# Altium PCB NURIP.PcbDoc (part 10 of 14) (continued)
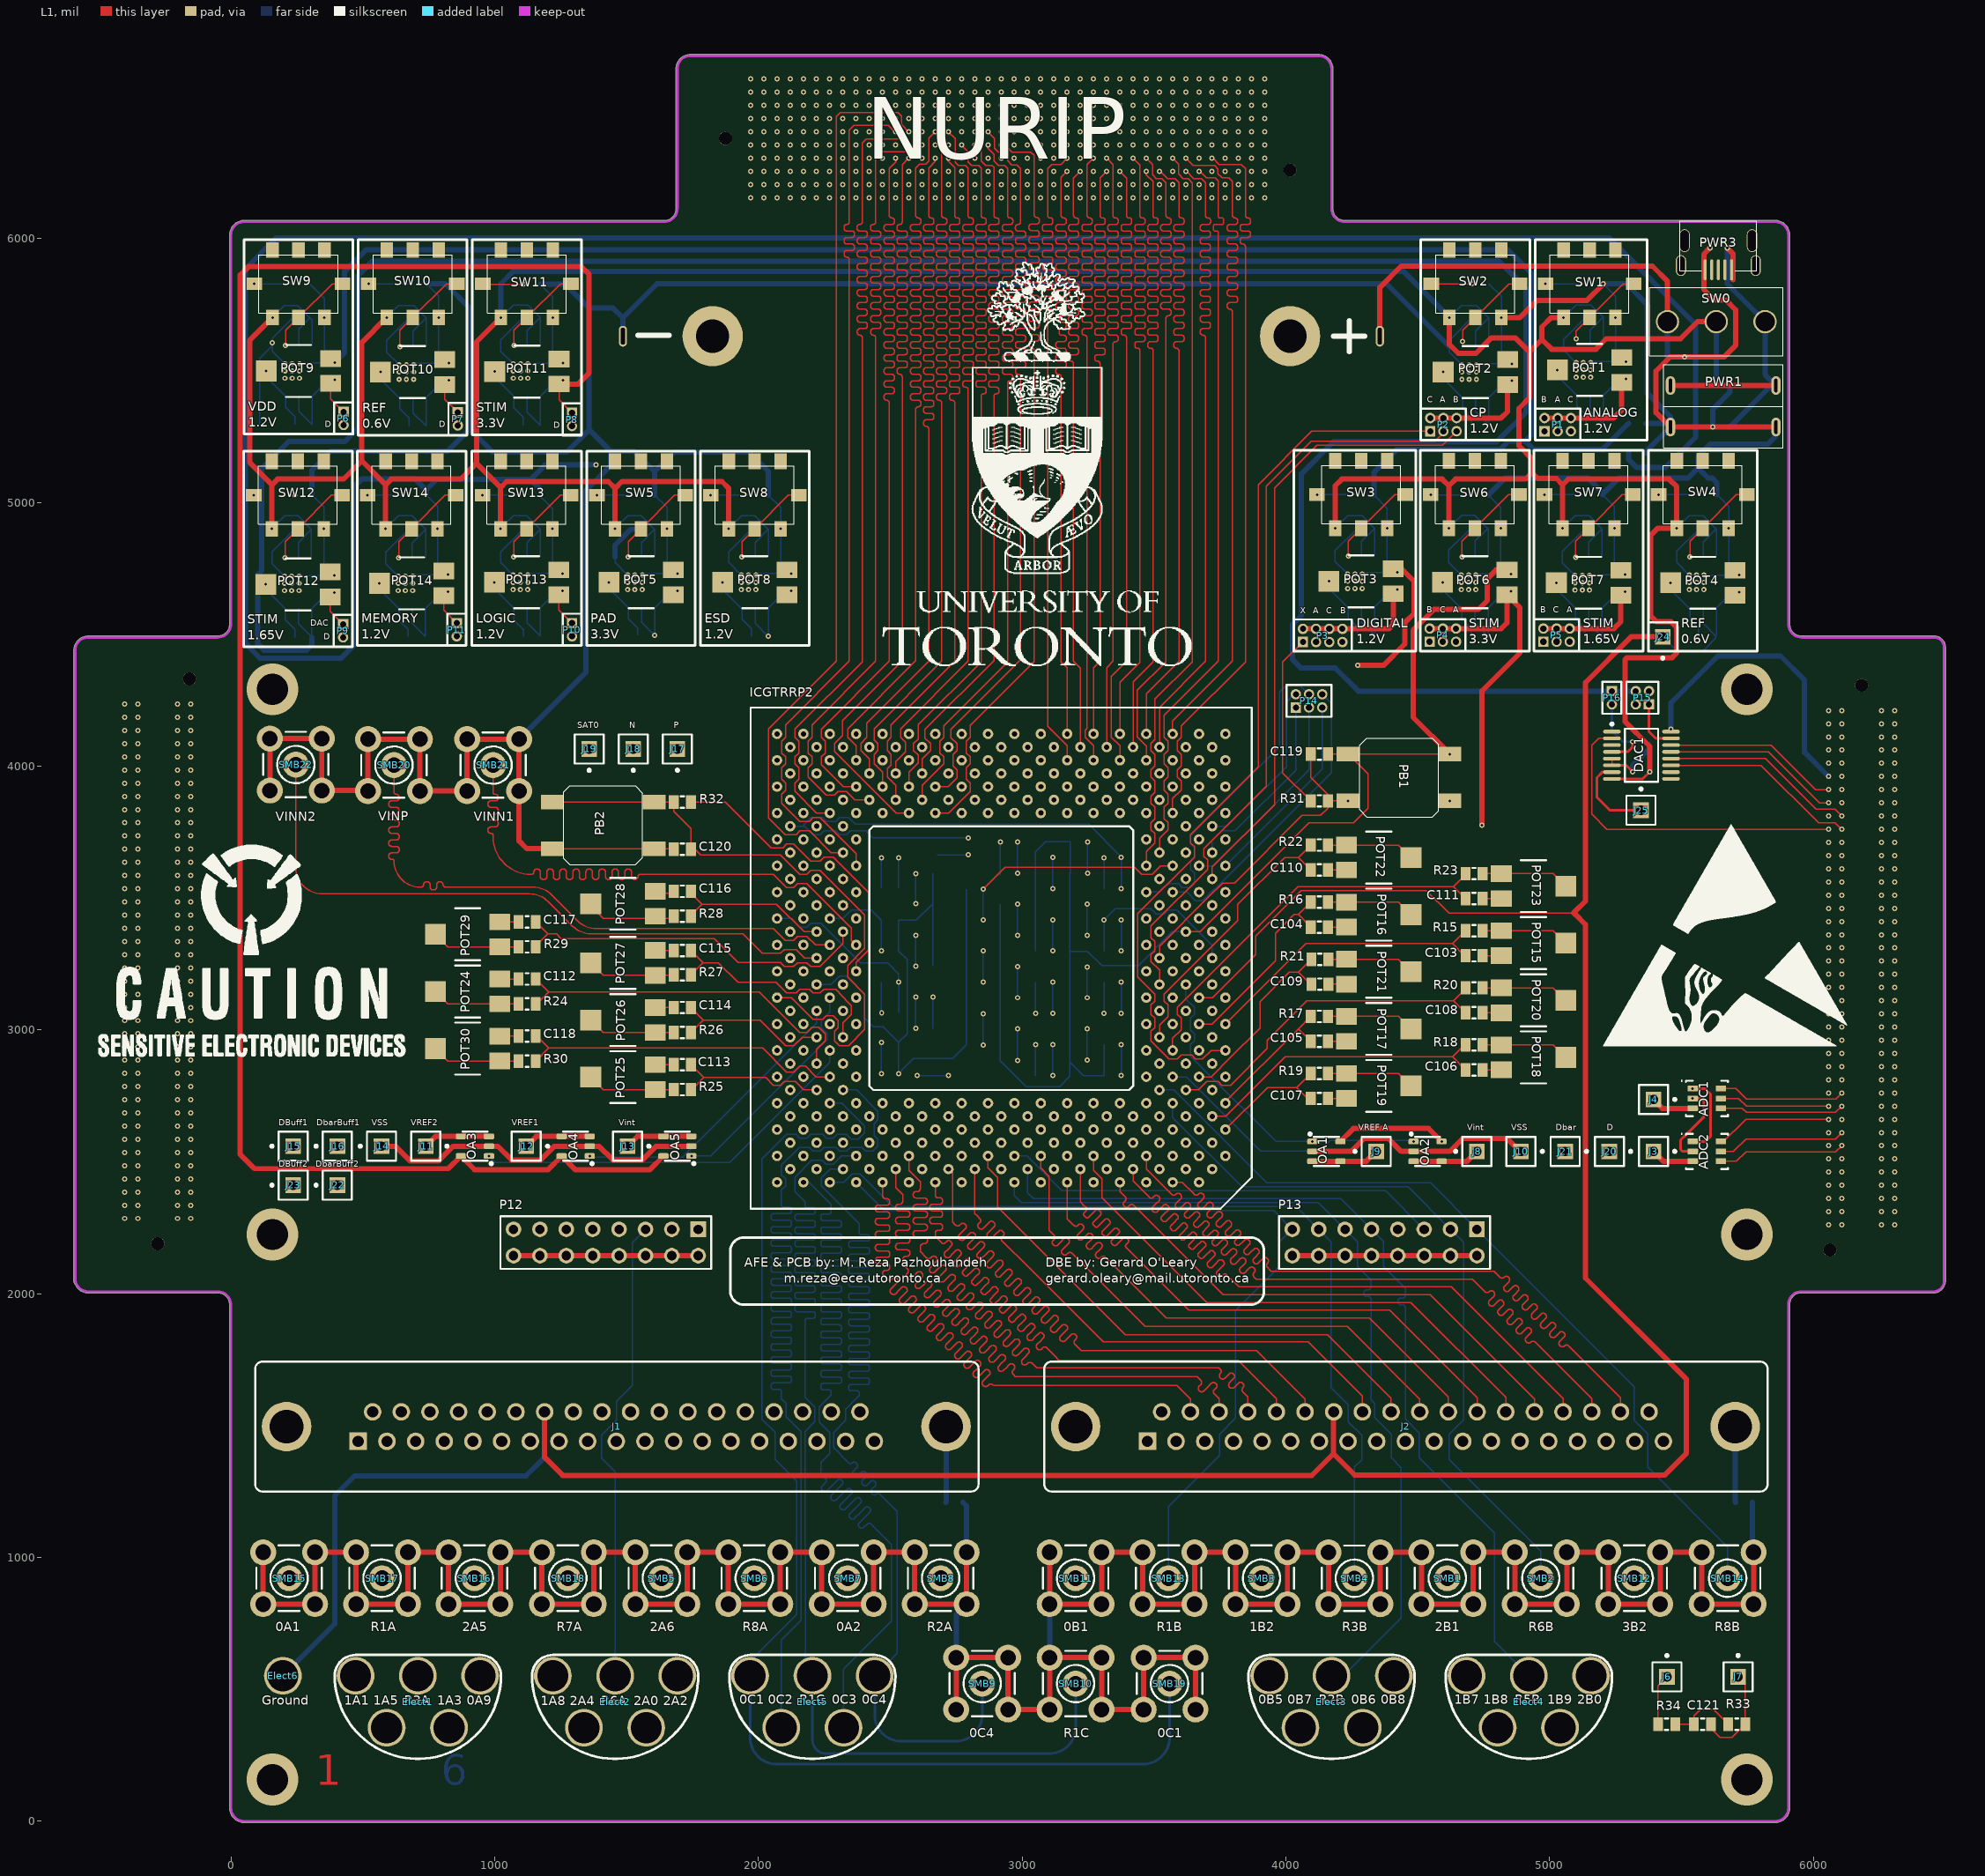
[diagram p0: L1 view]
## Nets (pads, with @x,y where several pads share a name; then routed paths per layer and width w, separated by ;. In a path a pad name is that pad's centre, name@x,y a point inside that pad or via, vN(x,y) a via of type N, cw(c..) or ccw(c..) an arc to the next point about the centre after c; other vN are vias at no path point) (continued)
OFF_MEM_DIN(3): FMC1.F19 ICGTRRP2.AK24 | length 3439.7
  L1 w5: ICGTRRP2.AK24@2620.71,3872.2 2620.71,3926.69 2702.89,4008.87 2702.89,4035.54 2688.52,4049.91 2688.52,4094.5 2702.89,4108.87 2702.89,4153.39 2944.88,4395.38 2944.88,5374.02 2944.88,5451.23 cw(c2954.73,5451.23) 2954.73,5461.08 ccw(c2954.73,5470.96) 2964.61,5470.96 2964.61,5475.89 ccw(c2954.73,5475.89) 2954.73,5485.77 2944.88,5485.77 2935.03,5485.77 cw(c2935.03,5495.64) 2925.15,5495.64 2925.15,5500.58 cw(c2935.03,5500.58) 2935.03,5510.45 2944.88,5510.45 2954.73,5510.45 ccw(c2954.73,5520.33) 2964.61,5520.33 2964.61,5525.26 ccw(c2954.73,5525.26) 2954.73,5535.14 2944.88,5535.14 2935.03,5535.14 cw(c2935.03,5545.01) 2925.15,5545.01 2925.15,5549.95 cw(c2935.03,5549.95) 2935.03,5559.82 2944.88,5559.82 2954.73,5559.82 ccw(c2954.73,5569.7) 2964.61,5569.7 2964.61,5574.63 ccw(c2954.73,5574.63) 2954.73,5584.51 2944.88,5584.51 2935.03,5584.51 cw(c2935.03,5594.38) 2925.15,5594.38 2925.15,5599.32 cw(c2935.03,5599.32) 2935.03,5609.19 2944.88,5609.19 2954.73,5609.19 ccw(c2954.73,5619.07) 2964.61,5619.07 2964.61,5624 ccw(c2954.73,5624) 2954.73,5633.88 2944.88,5633.88 2935.03,5633.88 cw(c2935.03,5643.75) 2925.15,5643.75 2925.15,5648.69 cw(c2935.03,5648.69) 2935.03,5658.56 2944.88,5658.56 2954.73,5658.56 ccw(c2954.73,5668.44) 2964.61,5668.44 2964.61,5673.37 ccw(c2954.73,5673.37) 2954.73,5683.25 2944.88,5683.25 2935.03,5683.25 cw(c2935.03,5693.12) 2925.15,5693.12 2925.15,5698.06 cw(c2935.03,5698.06) 2935.03,5707.93 2944.88,5707.93 2954.73,5707.93 ccw(c2954.73,5717.81) 2964.61,5717.81 2964.61,5722.74 ccw(c2954.73,5722.74) 2954.73,5732.62 2944.88,5732.62 2935.03,5732.62 cw(c2935.03,5742.49) 2925.15,5742.49 2925.15,5747.43 cw(c2935.03,5747.43) 2935.03,5757.3 2944.88,5757.3 2954.73,5757.3 ccw(c2954.73,5767.18) 2964.61,5767.18 2964.61,5772.11 ccw(c2954.73,5772.11) 2954.73,5781.99 2944.88,5781.99 2935.03,5781.99 cw(c2935.03,5791.86) 2925.15,5791.86 2925.15,5796.8 cw(c2935.03,5796.8) 2935.03,5806.67 2944.88,5806.67 2954.73,5806.67 ccw(c2954.73,5816.55) 2964.61,5816.55 2964.61,5821.48 ccw(c2954.73,5821.48) 2954.73,5831.36 2944.88,5831.36 2935.03,5831.36 cw(c2935.03,5841.23) 2925.15,5841.23 2925.15,5846.17 cw(c2935.03,5846.17) 2935.03,5856.04 2944.88,5856.04 2954.73,5856.04 ccw(c2954.73,5865.92) 2964.61,5865.92 2964.61,5870.85 ccw(c2954.73,5870.85) 2954.73,5880.73 2944.88,5880.73 2935.03,5880.73 cw(c2935.03,5890.6) 2925.15,5890.6 2925.15,5895.54 cw(c2935.03,5895.54) 2935.03,5905.41 2944.88,5905.41 2954.73,5905.41 ccw(c2954.73,5915.29) 2964.61,5915.29 2964.61,5920.22 ccw(c2954.73,5920.22) 2954.73,5930.1 2944.88,5930.1 2935.03,5930.1 cw(c2935.03,5939.97) 2925.15,5939.97 2925.15,5944.91 cw(c2935.03,5944.91) 2935.03,5954.78 2944.88,5954.78 2954.73,5954.78 ccw(c2954.73,5964.66) 2964.61,5964.66 2964.61,5969.59 ccw(c2954.73,5969.59) 2954.73,5979.47 2944.88,5979.47 2935.03,5979.47 cw(c2935.03,5989.34) 2925.15,5989.34 2925.15,5994.28 cw(c2935.03,5994.28) 2935.03,6004.15 2944.88,6004.15 2954.73,6004.15 ccw(c2954.73,6014.03) 2964.61,6014.03 2964.61,6018.96 ccw(c2954.73,6018.96) 2954.73,6028.84 2944.88,6028.84 2935.03,6028.84 cw(c2935.03,6038.71) 2925.15,6038.71 2925.15,6043.65 cw(c2935.03,6043.65) 2935.03,6053.52 2944.88,6053.52 2954.73,6053.52 ccw(c2954.73,6063.4) 2964.61,6063.4 2964.61,6068.33 ccw(c2954.73,6068.33) 2954.73,6078.21 cw(c2954.73,6088.06) 2944.88,6088.06 2944.88,6090.55 2944.88,6265.75 2933.07,6277.56 2909.45,6277.56 2893.7,6293.31 2893.7,6318.9 2870.24,6342.36 v1(2870.24,6354.92)
OFF_MEM_DIN(4): FMC1.F17 ICGTRRP2.AL25 | length 3434.1
  L1 w5: ICGTRRP2.AL25@2570.71,3922.2 2570.71,3976.69 2605.71,4011.69 2605.71,4041.69 2588.52,4058.87 2588.52,4085.54 2605.71,4102.72 2605.71,4156.89 2844.49,4395.67 2844.49,5354.33 2844.49,5401.86 cw(c2854.34,5401.86) 2854.34,5411.71 ccw(c2854.34,5421.59) 2864.22,5421.59 2864.22,5426.52 ccw(c2854.34,5426.52) 2854.34,5436.4 2844.49,5436.4 2834.64,5436.4 cw(c2834.64,5446.27) 2824.76,5446.27 2824.76,5451.21 cw(c2834.64,5451.21) 2834.64,5461.08 2844.49,5461.08 2854.34,5461.08 ccw(c2854.34,5470.96) 2864.22,5470.96 2864.22,5475.89 ccw(c2854.34,5475.89) 2854.34,5485.77 2844.49,5485.77 2834.64,5485.77 cw(c2834.64,5495.64) 2824.76,5495.64 2824.76,5500.58 cw(c2834.64,5500.58) 2834.64,5510.45 2844.49,5510.45 2854.34,5510.45 ccw(c2854.34,5520.33) 2864.22,5520.33 2864.22,5525.26 ccw(c2854.34,5525.26) 2854.34,5535.14 2844.49,5535.14 2834.64,5535.14 cw(c2834.64,5545.01) 2824.76,5545.01 2824.76,5549.95 cw(c2834.64,5549.95) 2834.64,5559.82 2844.49,5559.82 2854.34,5559.82 ccw(c2854.34,5569.7) 2864.22,5569.7 2864.22,5574.63 ccw(c2854.34,5574.63) 2854.34,5584.51 2844.49,5584.51 2834.64,5584.51 cw(c2834.64,5594.38) 2824.76,5594.38 2824.76,5599.32 cw(c2834.64,5599.32) 2834.64,5609.19 2844.49,5609.19 2854.34,5609.19 ccw(c2854.34,5619.07) 2864.22,5619.07 2864.22,5624 ccw(c2854.34,5624) 2854.34,5633.88 2844.49,5633.88 2834.64,5633.88 cw(c2834.64,5643.75) 2824.76,5643.75 2824.76,5648.69 cw(c2834.64,5648.69) 2834.64,5658.56 2844.49,5658.56 2854.34,5658.56 ccw(c2854.34,5668.44) 2864.22,5668.44 2864.22,5673.37 ccw(c2854.34,5673.37) 2854.34,5683.25 2844.49,5683.25 2834.64,5683.25 cw(c2834.64,5693.12) 2824.76,5693.12 2824.76,5698.06 cw(c2834.64,5698.06) 2834.64,5707.93 2844.49,5707.93 2854.34,5707.93 ccw(c2854.34,5717.81) 2864.22,5717.81 2864.22,5722.74 ccw(c2854.34,5722.74) 2854.34,5732.62 2844.49,5732.62 2834.64,5732.62 cw(c2834.64,5742.49) 2824.76,5742.49 2824.76,5747.43 cw(c2834.64,5747.43) 2834.64,5757.3 2844.49,5757.3 2854.34,5757.3 ccw(c2854.34,5767.18) 2864.22,5767.18 2864.22,5772.11 ccw(c2854.34,5772.11) 2854.34,5781.99 2844.49,5781.99 2834.64,5781.99 cw(c2834.64,5791.86) 2824.76,5791.86 2824.76,5796.8 cw(c2834.64,5796.8) 2834.64,5806.67 2844.49,5806.67 2854.34,5806.67 ccw(c2854.34,5816.55) 2864.22,5816.55 2864.22,5821.48 ccw(c2854.34,5821.48) 2854.34,5831.36 2844.49,5831.36 2834.64,5831.36 cw(c2834.64,5841.23) 2824.76,5841.23 2824.76,5846.17 cw(c2834.64,5846.17) 2834.64,5856.04 2844.49,5856.04 2854.34,5856.04 ccw(c2854.34,5865.92) 2864.22,5865.92 2864.22,5870.85 ccw(c2854.34,5870.85) 2854.34,5880.73 2844.49,5880.73 2834.64,5880.73 cw(c2834.64,5890.6) 2824.76,5890.6 2824.76,5895.54 cw(c2834.64,5895.54) 2834.64,5905.41 2844.49,5905.41 2854.34,5905.41 ccw(c2854.34,5915.29) 2864.22,5915.29 2864.22,5920.22 ccw(c2854.34,5920.22) 2854.34,5930.1 2844.49,5930.1 2834.64,5930.1 cw(c2834.64,5939.97) 2824.76,5939.97 2824.76,5944.91 cw(c2834.64,5944.91) 2834.64,5954.78 2844.49,5954.78 2854.34,5954.78 ccw(c2854.34,5964.66) 2864.22,5964.66 2864.22,5969.59 ccw(c2854.34,5969.59) 2854.34,5979.47 2844.49,5979.47 2834.64,5979.47 cw(c2834.64,5989.34) 2824.76,5989.34 2824.76,5994.28 cw(c2834.64,5994.28) 2834.64,6004.15 2844.49,6004.15 2854.34,6004.15 ccw(c2854.34,6014.03) 2864.22,6014.03 2864.22,6018.96 ccw(c2854.34,6018.96) 2854.34,6028.84 2844.49,6028.84 2834.64,6028.84 cw(c2834.64,6038.71) 2824.76,6038.71 2824.76,6043.65 cw(c2834.64,6043.65) 2834.64,6053.52 2844.49,6053.52 2854.34,6053.52 ccw(c2854.34,6063.4) 2864.22,6063.4 2864.22,6068.33 ccw(c2854.34,6068.33) 2854.34,6078.21 cw(c2854.34,6088.06) 2844.49,6088.06 2844.49,6090.55 2844.49,6267.72 2834.65,6277.56 2809.06,6277.56 2795.28,6291.34 2795.28,6329.88 v1(2770.24,6354.92)
OFF_MEM_DIN(5): FMC1.E16 ICGTRRP2.AM26 | length 3434.9
  L1 w5: ICGTRRP2.AM26@2520.71,3972.2 2520.71,4017.72 2557.38,4054.39 2557.38,4090.02 2538.52,4108.87 2538.52,4140.89 2795.28,4397.64 2795.28,5297.24 2795.28,5427.76 ccw(c2786.64,5427.76) 2786.64,5436.4 2784.19,5436.4 cw(c2784.19,5445.04) 2775.55,5445.04 2775.55,5452.44 cw(c2784.19,5452.44) 2784.19,5461.08 2795.28,5461.08 2806.36,5461.08 ccw(c2806.36,5469.72) 2815,5469.72 2815,5477.13 ccw(c2806.36,5477.13) 2806.36,5485.77 2795.28,5485.77 2784.19,5485.77 cw(c2784.19,5494.41) 2775.55,5494.41 2775.55,5501.81 cw(c2784.19,5501.81) 2784.19,5510.45 2795.28,5510.45 2806.36,5510.45 ccw(c2806.36,5519.09) 2815,5519.09 2815,5526.5 ccw(c2806.36,5526.5) 2806.36,5535.14 2795.28,5535.14 2784.19,5535.14 cw(c2784.19,5543.78) 2775.55,5543.78 2775.55,5551.18 cw(c2784.19,5551.18) 2784.19,5559.82 2795.28,5559.82 2806.36,5559.82 ccw(c2806.36,5568.46) 2815,5568.46 2815,5575.87 ccw(c2806.36,5575.87) 2806.36,5584.51 2795.28,5584.51 2784.19,5584.51 cw(c2784.19,5593.15) 2775.55,5593.15 2775.55,5600.55 cw(c2784.19,5600.55) 2784.19,5609.19 2795.28,5609.19 2806.36,5609.19 ccw(c2806.36,5617.83) 2815,5617.83 2815,5625.24 ccw(c2806.36,5625.24) 2806.36,5633.88 2795.28,5633.88 2784.19,5633.88 cw(c2784.19,5642.52) 2775.55,5642.52 2775.55,5649.92 cw(c2784.19,5649.92) 2784.19,5658.56 2795.28,5658.56 2806.36,5658.56 ccw(c2806.36,5667.2) 2815,5667.2 2815,5674.61 ccw(c2806.36,5674.61) 2806.36,5683.25 2795.28,5683.25 2784.19,5683.25 cw(c2784.19,5691.89) 2775.55,5691.89 2775.55,5699.29 cw(c2784.19,5699.29) 2784.19,5707.93 2795.28,5707.93 2806.36,5707.93 ccw(c2806.36,5716.57) 2815,5716.57 2815,5723.98 ccw(c2806.36,5723.98) 2806.36,5732.62 2795.28,5732.62 2784.19,5732.62 cw(c2784.19,5741.26) 2775.55,5741.26 2775.55,5748.66 cw(c2784.19,5748.66) 2784.19,5757.3 2795.28,5757.3 2806.36,5757.3 ccw(c2806.36,5765.94) 2815,5765.94 2815,5773.35 ccw(c2806.36,5773.35) 2806.36,5781.99 2795.28,5781.99 2784.19,5781.99 cw(c2784.19,5790.63) 2775.55,5790.63 2775.55,5798.03 cw(c2784.19,5798.03) 2784.19,5806.67 2795.28,5806.67 2806.36,5806.67 ccw(c2806.36,5815.31) 2815,5815.31 2815,5822.72 ccw(c2806.36,5822.72) 2806.36,5831.36 2795.28,5831.36 2784.19,5831.36 cw(c2784.19,5840) 2775.55,5840 2775.55,5847.4 cw(c2784.19,5847.4) 2784.19,5856.04 2795.28,5856.04 2806.36,5856.04 ccw(c2806.36,5864.68) 2815,5864.68 2815,5872.09 ccw(c2806.36,5872.09) 2806.36,5880.73 2795.28,5880.73 2784.19,5880.73 cw(c2784.19,5889.37) 2775.55,5889.37 2775.55,5896.77 cw(c2784.19,5896.77) 2784.19,5905.41 2795.28,5905.41 2806.36,5905.41 ccw(c2806.36,5914.05) 2815,5914.05 2815,5921.46 ccw(c2806.36,5921.46) 2806.36,5930.1 2795.28,5930.1 2784.19,5930.1 cw(c2784.19,5938.74) 2775.55,5938.74 2775.55,5946.14 cw(c2784.19,5946.14) 2784.19,5954.78 2795.28,5954.78 2806.36,5954.78 ccw(c2806.36,5963.42) 2815,5963.42 2815,5970.83 ccw(c2806.36,5970.83) 2806.36,5979.47 2795.28,5979.47 2784.19,5979.47 cw(c2784.19,5988.11) 2775.55,5988.11 2775.55,5995.51 cw(c2784.19,5995.51) 2784.19,6004.15 2795.28,6004.15 2806.36,6004.15 ccw(c2806.36,6012.79) 2815,6012.79 2815,6020.2 ccw(c2806.36,6020.2) 2806.36,6028.84 2795.28,6028.84 2784.19,6028.84 cw(c2784.19,6037.48) 2775.55,6037.48 2775.55,6044.88 cw(c2784.19,6044.88) 2784.19,6053.52 2795.28,6053.52 2806.36,6053.52 ccw(c2806.36,6062.16) 2815,6062.16 2815,6069.57 ccw(c2806.36,6069.57) 2806.36,6078.21 2803.92,6078.21 cw(c2803.92,6086.85) 2795.28,6086.85 2795.28,6090.55 2795.28,6267.72 2785.43,6277.56 2757.87,6277.56 2746.06,6289.37 2746.06,6379.09 v1(2720.24,6404.92)
OFF_MEM_DIN(6): FMC1.G15 ICGTRRP2.AM28 | length 3443.5
  L1 w5: ICGTRRP2.AM28@2420.71,3972.2 2420.71,4026.69 2388.52,4058.87 2388.52,4085.54 2411.42,4108.43 2411.42,4163.39 2645.67,4397.64 2645.67,5192.91 2645.67,5278.44 ccw(c2635.82,5278.44) 2635.82,5288.29 ; 2635.85,5288.29 cw(c2635.85,5298.16) 2625.98,5298.16 2625.98,5303.1 cw(c2635.85,5303.1) 2635.85,5312.97 2645.67,5312.97 2655.49,5312.97 ccw(c2655.49,5322.85) 2665.36,5322.85 2665.36,5327.78 ccw(c2655.49,5327.78) 2655.49,5337.66 2645.67,5337.66 2635.85,5337.66 cw(c2635.85,5347.53) 2625.98,5347.53 2625.98,5352.47 cw(c2635.85,5352.47) 2635.85,5362.34 2645.67,5362.34 2655.49,5362.34 ccw(c2655.49,5372.22) 2665.36,5372.22 2665.36,5377.15 ccw(c2655.49,5377.15) 2655.49,5387.03 2645.67,5387.03 2635.85,5387.03 cw(c2635.85,5396.9) 2625.98,5396.9 2625.98,5401.84 cw(c2635.85,5401.84) 2635.85,5411.71 2645.67,5411.71 2655.49,5411.71 ccw(c2655.49,5421.59) 2665.36,5421.59 2665.36,5426.52 ccw(c2655.49,5426.52) 2655.49,5436.4 2645.67,5436.4 2635.85,5436.4 cw(c2635.85,5446.27) 2625.98,5446.27 2625.98,5451.21 cw(c2635.85,5451.21) 2635.85,5461.08 2645.67,5461.08 2655.49,5461.08 ccw(c2655.49,5470.96) 2665.36,5470.96 2665.36,5475.89 ccw(c2655.49,5475.89) 2655.49,5485.77 2645.67,5485.77 2635.85,5485.77 cw(c2635.85,5495.64) 2625.98,5495.64 2625.98,5500.58 cw(c2635.85,5500.58) 2635.85,5510.45 2645.67,5510.45 2655.49,5510.45 ccw(c2655.49,5520.33) 2665.36,5520.33 2665.36,5525.26 ccw(c2655.49,5525.26) 2655.49,5535.14 2645.67,5535.14 2635.85,5535.14 cw(c2635.85,5545.01) 2625.98,5545.01 2625.98,5549.95 cw(c2635.85,5549.95) 2635.85,5559.82 2645.67,5559.82 2655.49,5559.82 ccw(c2655.49,5569.7) 2665.36,5569.7 2665.36,5574.63 ccw(c2655.49,5574.63) 2655.49,5584.51 2645.67,5584.51 2635.85,5584.51 cw(c2635.85,5594.38) 2625.98,5594.38 2625.98,5599.32 cw(c2635.85,5599.32) 2635.85,5609.19 2645.67,5609.19 2655.49,5609.19 ccw(c2655.49,5619.07) 2665.36,5619.07 2665.36,5624 ccw(c2655.49,5624) 2655.49,5633.88 2645.67,5633.88 2635.85,5633.88 cw(c2635.85,5643.75) 2625.98,5643.75 2625.98,5648.69 cw(c2635.85,5648.69) 2635.85,5658.56 2645.67,5658.56 2655.49,5658.56 ccw(c2655.49,5668.44) 2665.36,5668.44 2665.36,5673.37 ccw(c2655.49,5673.37) 2655.49,5683.25 2645.67,5683.25 2635.85,5683.25 cw(c2635.85,5693.12) 2625.98,5693.12 2625.98,5698.06 cw(c2635.85,5698.06) 2635.85,5707.93 2645.67,5707.93 2655.49,5707.93 ccw(c2655.49,5717.81) 2665.36,5717.81 2665.36,5722.74 ccw(c2655.49,5722.74) 2655.49,5732.62 2645.67,5732.62 2635.85,5732.62 cw(c2635.85,5742.49) 2625.98,5742.49 2625.98,5747.43 cw(c2635.85,5747.43) 2635.85,5757.3 2645.67,5757.3 2655.49,5757.3 ccw(c2655.49,5767.18) 2665.36,5767.18 2665.36,5772.11 ccw(c2655.49,5772.11) 2655.49,5781.99 2645.67,5781.99 2635.85,5781.99 cw(c2635.85,5791.86) 2625.98,5791.86 2625.98,5796.8 cw(c2635.85,5796.8) 2635.85,5806.67 2645.67,5806.67 2655.49,5806.67 ccw(c2655.49,5816.55) 2665.36,5816.55 2665.36,5821.48 ccw(c2655.49,5821.48) 2655.49,5831.36 2645.67,5831.36 2635.85,5831.36 cw(c2635.85,5841.23) 2625.98,5841.23 2625.98,5846.17 cw(c2635.85,5846.17) 2635.85,5856.04 2645.67,5856.04 2655.49,5856.04 ccw(c2655.49,5865.92) 2665.36,5865.92 2665.36,5870.85 ccw(c2655.49,5870.85) 2655.49,5880.73 2645.67,5880.73 2635.85,5880.73 cw(c2635.85,5890.6) 2625.98,5890.6 2625.98,5895.54 cw(c2635.85,5895.54) 2635.85,5905.41 2645.67,5905.41 2655.49,5905.41 ccw(c2655.49,5915.29) 2665.36,5915.29 2665.36,5920.22 ccw(c2655.49,5920.22) 2655.49,5930.1 2645.67,5930.1 2635.85,5930.1 cw(c2635.85,5939.97) 2625.98,5939.97 2625.98,5944.91 cw(c2635.85,5944.91) 2635.85,5954.78 2645.67,5954.78 2655.49,5954.78 ccw(c2655.49,5964.66) 2665.36,5964.66 2665.36,5969.59 ccw(c2655.49,5969.59) 2655.49,5979.47 2645.67,5979.47 2635.85,5979.47 cw(c2635.85,5989.34) 2625.98,5989.34 2625.98,5994.28 cw(c2635.85,5994.28) 2635.85,6004.15 2645.67,6004.15 2655.49,6004.15 ccw(c2655.49,6014.03) 2665.36,6014.03 2665.36,6018.96 ccw(c2655.49,6018.96) 2655.49,6028.84 2645.67,6028.84 2635.85,6028.84 cw(c2635.85,6038.71) 2625.98,6038.71 2625.98,6043.65 cw(c2635.85,6043.65) 2635.85,6053.52 2645.67,6053.52 2655.52,6053.52 ccw(c2655.52,6063.4) 2665.4,6063.4 2665.4,6068.33 ccw(c2655.52,6068.33) 2655.52,6078.21 cw(c2655.52,6088.06) 2645.67,6088.06 2645.67,6090.55 2645.67,6267.72 2670.24,6292.28 v1(2670.24,6304.92)
OFF_MEM_DIN(7): FMC1.F16 ICGTRRP2.AL27 | length 3433.6
  L1 w5: ICGTRRP2.AL27@2470.71,3922.2 2470.71,3976.69 2438.52,4008.87 2438.52,4044.5 2452.89,4058.87 2452.89,4085.54 2438.52,4099.91 2438.52,4141.28 2694.88,4397.64 2694.88,5263.78 2694.88,5377.18 ccw(c2685.03,5377.18) 2685.03,5387.03 cw(c2685.03,5396.9) 2675.15,5396.9 2675.15,5401.84 cw(c2685.03,5401.84) 2685.03,5411.71 2694.88,5411.71 2704.73,5411.71 ccw(c2704.73,5421.59) 2714.61,5421.59 2714.61,5426.52 ccw(c2704.73,5426.52) 2704.73,5436.4 2694.88,5436.4 2685.03,5436.4 cw(c2685.03,5446.27) 2675.15,5446.27 2675.15,5451.21 cw(c2685.03,5451.21) 2685.03,5461.08 2694.88,5461.08 2704.73,5461.08 ccw(c2704.73,5470.96) 2714.61,5470.96 2714.61,5475.89 ccw(c2704.73,5475.89) 2704.73,5485.77 2694.88,5485.77 2685.03,5485.77 cw(c2685.03,5495.64) 2675.15,5495.64 2675.15,5500.58 cw(c2685.03,5500.58) 2685.03,5510.45 2694.88,5510.45 2704.73,5510.45 ccw(c2704.73,5520.33) 2714.61,5520.33 2714.61,5525.26 ccw(c2704.73,5525.26) 2704.73,5535.14 2694.88,5535.14 2685.03,5535.14 cw(c2685.03,5545.01) 2675.15,5545.01 2675.15,5549.95 cw(c2685.03,5549.95) 2685.03,5559.82 2694.88,5559.82 2704.73,5559.82 ccw(c2704.73,5569.7) 2714.61,5569.7 2714.61,5574.63 ccw(c2704.73,5574.63) 2704.73,5584.51 2694.88,5584.51 2685.03,5584.51 cw(c2685.03,5594.38) 2675.15,5594.38 2675.15,5599.32 cw(c2685.03,5599.32) 2685.03,5609.19 2694.88,5609.19 2704.73,5609.19 ccw(c2704.73,5619.07) 2714.61,5619.07 2714.61,5624 ccw(c2704.73,5624) 2704.73,5633.88 2694.88,5633.88 2685.03,5633.88 cw(c2685.03,5643.75) 2675.15,5643.75 2675.15,5648.69 cw(c2685.03,5648.69) 2685.03,5658.56 2694.88,5658.56 2704.73,5658.56 ccw(c2704.73,5668.44) 2714.61,5668.44 2714.61,5673.37 ccw(c2704.73,5673.37) 2704.73,5683.25 2694.88,5683.25 2685.03,5683.25 cw(c2685.03,5693.12) 2675.15,5693.12 2675.15,5698.06 cw(c2685.03,5698.06) 2685.03,5707.93 2694.88,5707.93 2704.73,5707.93 ccw(c2704.73,5717.81) 2714.61,5717.81 2714.61,5722.74 ccw(c2704.73,5722.74) 2704.73,5732.62 2694.88,5732.62 2685.03,5732.62 cw(c2685.03,5742.49) 2675.15,5742.49 2675.15,5747.43 cw(c2685.03,5747.43) 2685.03,5757.3 2694.88,5757.3 2704.73,5757.3 ccw(c2704.73,5767.18) 2714.61,5767.18 2714.61,5772.11 ccw(c2704.73,5772.11) 2704.73,5781.99 2694.88,5781.99 2685.03,5781.99 cw(c2685.03,5791.86) 2675.15,5791.86 2675.15,5796.8 cw(c2685.03,5796.8) 2685.03,5806.67 2694.88,5806.67 2704.73,5806.67 ccw(c2704.73,5816.55) 2714.61,5816.55 2714.61,5821.48 ccw(c2704.73,5821.48) 2704.73,5831.36 2694.88,5831.36 2685.03,5831.36 cw(c2685.03,5841.23) 2675.15,5841.23 2675.15,5846.17 cw(c2685.03,5846.17) 2685.03,5856.04 2694.88,5856.04 2704.73,5856.04 ccw(c2704.73,5865.92) 2714.61,5865.92 2714.61,5870.85 ccw(c2704.73,5870.85) 2704.73,5880.73 2694.88,5880.73 2685.03,5880.73 cw(c2685.03,5890.6) 2675.15,5890.6 2675.15,5895.54 cw(c2685.03,5895.54) 2685.03,5905.41 2694.88,5905.41 2704.73,5905.41 ccw(c2704.73,5915.29) 2714.61,5915.29 2714.61,5920.22 ccw(c2704.73,5920.22) 2704.73,5930.1 2694.88,5930.1 2685.03,5930.1 cw(c2685.03,5939.97) 2675.15,5939.97 2675.15,5944.91 cw(c2685.03,5944.91) 2685.03,5954.78 2694.88,5954.78 2704.73,5954.78 ccw(c2704.73,5964.66) 2714.61,5964.66 2714.61,5969.59 ccw(c2704.73,5969.59) 2704.73,5979.47 2694.88,5979.47 2685.03,5979.47 cw(c2685.03,5989.34) 2675.15,5989.34 2675.15,5994.28 cw(c2685.03,5994.28) 2685.03,6004.15 2694.88,6004.15 2704.73,6004.15 ccw(c2704.73,6014.03) 2714.61,6014.03 2714.61,6018.96 ccw(c2704.73,6018.96) 2704.73,6028.84 2694.88,6028.84 2685.03,6028.84 cw(c2685.03,6038.71) 2675.15,6038.71 2675.15,6043.65 cw(c2685.03,6043.65) 2685.03,6053.52 2694.88,6053.52 2704.73,6053.52 ccw(c2704.73,6063.4) 2714.61,6063.4 2714.61,6068.33 ccw(c2704.73,6068.33) 2704.73,6078.21 cw(c2704.73,6088.06) 2694.88,6088.06 2694.88,6090.55 2694.88,6329.57 v1(2720.24,6354.92)
OFF_MEM_DIN(8): FMC1.G13 ICGTRRP2.AJ25 | length 3443.6
  L1 w5: 2535.42,5485.77 cw(c2535.42,5475.92) 2545.28,5475.92 2545.28,5381.89 2545.28,4399.61 2318.9,4173.23 2318.9,4115.91 2288.52,4085.54 2288.52,4055.96 2522.28,3822.2 ICGTRRP2.AJ25@2570.71,3822.2 ; 2535.43,5485.77 2535.54,5485.77 cw(c2535.54,5495.64) 2525.67,5495.64 2525.67,5500.58 cw(c2535.54,5500.58) 2535.54,5510.45 2545.28,5510.45 2555.01,5510.45 ccw(c2555.01,5520.33) 2564.88,5520.33 2564.88,5525.26 ccw(c2555.01,5525.26) 2555.01,5535.14 2545.28,5535.14 2535.54,5535.14 cw(c2535.54,5545.01) 2525.67,5545.01 2525.67,5549.95 cw(c2535.54,5549.95) 2535.54,5559.82 2545.28,5559.82 2555.01,5559.82 ccw(c2555.01,5569.7) 2564.88,5569.7 2564.88,5574.63 ccw(c2555.01,5574.63) 2555.01,5584.51 2545.28,5584.51 2535.54,5584.51 cw(c2535.54,5594.38) 2525.67,5594.38 2525.67,5599.32 cw(c2535.54,5599.32) 2535.54,5609.19 2545.28,5609.19 2555.01,5609.19 ccw(c2555.01,5619.07) 2564.88,5619.07 2564.88,5624 ccw(c2555.01,5624) 2555.01,5633.88 2545.28,5633.88 2535.54,5633.88 cw(c2535.54,5643.75) 2525.67,5643.75 2525.67,5648.69 cw(c2535.54,5648.69) 2535.54,5658.56 2545.28,5658.56 2555.01,5658.56 ccw(c2555.01,5668.44) 2564.88,5668.44 2564.88,5673.37 ccw(c2555.01,5673.37) 2555.01,5683.25 2545.28,5683.25 2535.54,5683.25 cw(c2535.54,5693.12) 2525.67,5693.12 2525.67,5698.06 cw(c2535.54,5698.06) 2535.54,5707.93 2545.28,5707.93 2555.01,5707.93 ccw(c2555.01,5717.81) 2564.88,5717.81 2564.88,5722.74 ccw(c2555.01,5722.74) 2555.01,5732.62 2545.28,5732.62 2535.54,5732.62 cw(c2535.54,5742.49) 2525.67,5742.49 2525.67,5747.43 cw(c2535.54,5747.43) 2535.54,5757.3 2545.28,5757.3 2555.01,5757.3 ccw(c2555.01,5767.18) 2564.88,5767.18 2564.88,5772.11 ccw(c2555.01,5772.11) 2555.01,5781.99 2545.28,5781.99 2535.54,5781.99 cw(c2535.54,5791.86) 2525.67,5791.86 2525.67,5796.8 cw(c2535.54,5796.8) 2535.54,5806.67 2545.28,5806.67 2555.01,5806.67 ccw(c2555.01,5816.55) 2564.88,5816.55 2564.88,5821.48 ccw(c2555.01,5821.48) 2555.01,5831.36 2545.28,5831.36 2535.54,5831.36 cw(c2535.54,5841.23) 2525.67,5841.23 2525.67,5846.17 cw(c2535.54,5846.17) 2535.54,5856.04 2545.28,5856.04 2555.01,5856.04 ccw(c2555.01,5865.92) 2564.88,5865.92 2564.88,5870.85 ccw(c2555.01,5870.85) 2555.01,5880.73 2545.28,5880.73 2535.54,5880.73 cw(c2535.54,5890.6) 2525.67,5890.6 2525.67,5895.54 cw(c2535.54,5895.54) 2535.54,5905.41 2545.28,5905.41 2555.01,5905.41 ccw(c2555.01,5915.29) 2564.88,5915.29 2564.88,5920.22 ccw(c2555.01,5920.22) 2555.01,5930.1 2545.28,5930.1 2535.54,5930.1 cw(c2535.54,5939.97) 2525.67,5939.97 2525.67,5944.91 cw(c2535.54,5944.91) 2535.54,5954.78 2545.28,5954.78 2555.01,5954.78 ccw(c2555.01,5964.66) 2564.88,5964.66 2564.88,5969.59 ccw(c2555.01,5969.59) 2555.01,5979.47 2545.28,5979.47 2535.54,5979.47 cw(c2535.54,5989.34) 2525.67,5989.34 2525.67,5994.28 cw(c2535.54,5994.28) 2535.54,6004.15 2545.28,6004.15 2555.01,6004.15 ccw(c2555.01,6014.03) 2564.88,6014.03 2564.88,6018.96 ccw(c2555.01,6018.96) 2555.01,6028.84 2545.28,6028.84 2535.42,6028.84 cw(c2535.42,6038.71) 2525.55,6038.71 2525.55,6043.65 cw(c2535.42,6043.65) 2535.42,6053.52 ccw(c2535.42,6063.38) 2545.28,6063.38 2545.28,6078.21 2545.28,6090.55 2545.28,6279.96 v1(2570.24,6304.92)
OFF_MEM_DIN(9): FMC1.G16 ICGTRRP2.AK26 | length 3443.4
  L1 w5: ICGTRRP2.AK26@2520.71,3872.2 2520.71,3926.69 2488.52,3958.87 2488.52,3990.02 2502.89,4004.39 2502.89,4044.5 2488.52,4058.87 2488.52,4094.5 2502.89,4108.87 2502.89,4156.44 2744.09,4397.64 2744.09,5291.34 2744.09,5378.39 ccw(c2735.45,5378.39) 2735.45,5387.03 2733.36,5387.03 cw(c2733.36,5395.67) 2724.72,5395.67 2724.72,5403.07 cw(c2733.36,5403.07) 2733.36,5411.71 2744.09,5411.71 2754.83,5411.71 ccw(c2754.83,5420.35) 2763.47,5420.35 2763.47,5427.76 ccw(c2754.83,5427.76) 2754.83,5436.4 2744.09,5436.4 2733.36,5436.4 cw(c2733.36,5445.04) 2724.72,5445.04 2724.72,5452.44 cw(c2733.36,5452.44) 2733.36,5461.08 2744.09,5461.08 2754.83,5461.08 ccw(c2754.83,5469.72) 2763.47,5469.72 2763.47,5477.13 ccw(c2754.83,5477.13) 2754.83,5485.77 2744.09,5485.77 2733.36,5485.77 cw(c2733.36,5494.41) 2724.72,5494.41 2724.72,5501.81 cw(c2733.36,5501.81) 2733.36,5510.45 2744.09,5510.45 2754.83,5510.45 ccw(c2754.83,5519.09) 2763.47,5519.09 2763.47,5526.5 ccw(c2754.83,5526.5) 2754.83,5535.14 2744.09,5535.14 2733.36,5535.14 cw(c2733.36,5543.78) 2724.72,5543.78 2724.72,5551.18 cw(c2733.36,5551.18) 2733.36,5559.82 2744.09,5559.82 2754.83,5559.82 ccw(c2754.83,5568.46) 2763.47,5568.46 2763.47,5575.87 ccw(c2754.83,5575.87) 2754.83,5584.51 2744.09,5584.51 2733.36,5584.51 cw(c2733.36,5593.15) 2724.72,5593.15 2724.72,5600.55 cw(c2733.36,5600.55) 2733.36,5609.19 2744.09,5609.19 2754.83,5609.19 ccw(c2754.83,5617.83) 2763.47,5617.83 2763.47,5625.24 ccw(c2754.83,5625.24) 2754.83,5633.88 2744.09,5633.88 2733.36,5633.88 cw(c2733.36,5642.52) 2724.72,5642.52 2724.72,5649.92 cw(c2733.36,5649.92) 2733.36,5658.56 2744.09,5658.56 2754.83,5658.56 ccw(c2754.83,5667.2) 2763.47,5667.2 2763.47,5674.61 ccw(c2754.83,5674.61) 2754.83,5683.25 2744.09,5683.25 2733.36,5683.25 cw(c2733.36,5691.89) 2724.72,5691.89 2724.72,5699.29 cw(c2733.36,5699.29) 2733.36,5707.93 2744.09,5707.93 2754.83,5707.93 ccw(c2754.83,5716.57) 2763.47,5716.57 2763.47,5723.98 ccw(c2754.83,5723.98) 2754.83,5732.62 2744.09,5732.62 2733.36,5732.62 cw(c2733.36,5741.26) 2724.72,5741.26 2724.72,5748.66 cw(c2733.36,5748.66) 2733.36,5757.3 2744.09,5757.3 2754.83,5757.3 ccw(c2754.83,5765.94) 2763.47,5765.94 2763.47,5773.35 ccw(c2754.83,5773.35) 2754.83,5781.99 2744.09,5781.99 2733.36,5781.99 cw(c2733.36,5790.63) 2724.72,5790.63 2724.72,5798.03 cw(c2733.36,5798.03) 2733.36,5806.67 2744.09,5806.67 2754.83,5806.67 ccw(c2754.83,5815.31) 2763.47,5815.31 2763.47,5822.72 ccw(c2754.83,5822.72) 2754.83,5831.36 2744.09,5831.36 2733.36,5831.36 cw(c2733.36,5840) 2724.72,5840 2724.72,5847.4 cw(c2733.36,5847.4) 2733.36,5856.04 2744.09,5856.04 2754.83,5856.04 ccw(c2754.83,5864.68) 2763.47,5864.68 2763.47,5872.09 ccw(c2754.83,5872.09) 2754.83,5880.73 2744.09,5880.73 2733.36,5880.73 cw(c2733.36,5889.37) 2724.72,5889.37 2724.72,5896.77 cw(c2733.36,5896.77) 2733.36,5905.41 2744.09,5905.41 2754.83,5905.41 ccw(c2754.83,5914.05) 2763.47,5914.05 2763.47,5921.46 ccw(c2754.83,5921.46) 2754.83,5930.1 2744.09,5930.1 2733.36,5930.1 cw(c2733.36,5938.74) 2724.72,5938.74 2724.72,5946.14 cw(c2733.36,5946.14) 2733.36,5954.78 2744.09,5954.78 2754.83,5954.78 ccw(c2754.83,5963.42) 2763.47,5963.42 2763.47,5970.83 ccw(c2754.83,5970.83) 2754.83,5979.47 2744.09,5979.47 2733.36,5979.47 cw(c2733.36,5988.11) 2724.72,5988.11 2724.72,5995.51 cw(c2733.36,5995.51) 2733.36,6004.15 2744.09,6004.15 2754.83,6004.15 ccw(c2754.83,6012.79) 2763.47,6012.79 2763.47,6020.2 ccw(c2754.83,6020.2) 2754.83,6028.84 2744.09,6028.84 2733.36,6028.84 cw(c2733.36,6037.48) 2724.72,6037.48 2724.72,6044.88 cw(c2733.36,6044.88) 2733.36,6053.52 2744.09,6053.52 2754.83,6053.52 ccw(c2754.83,6062.16) 2763.47,6062.16 2763.47,6069.57 ccw(c2754.83,6069.57) 2754.83,6078.21 2752.73,6078.21 cw(c2752.73,6086.85) 2744.09,6086.85 2744.09,6090.55 2744.09,6269.69 2720.24,6293.54 v1(2720.24,6304.92)